# KiCad board data-center-ddr5-tester.kicad_pcb (continued)
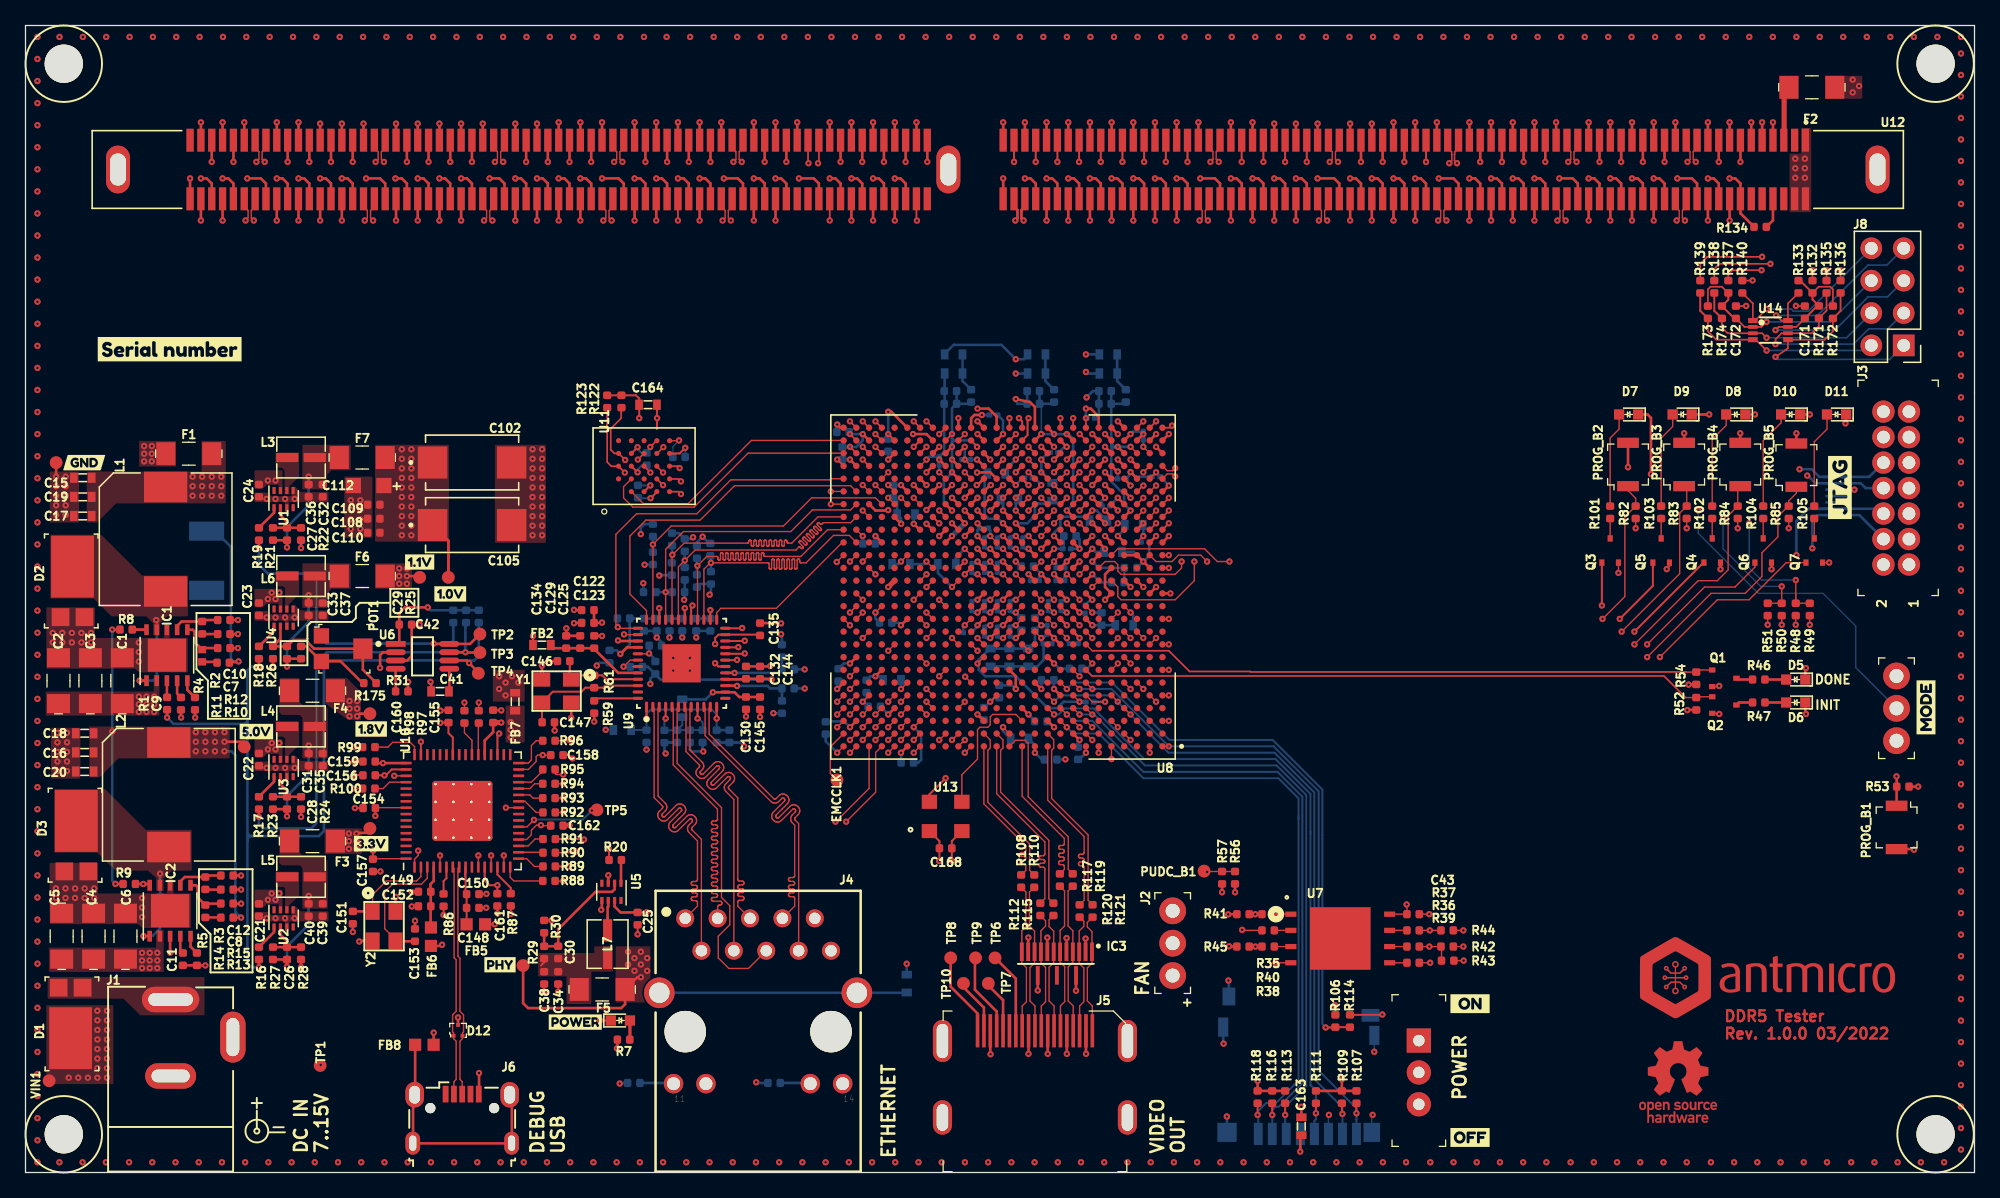
[diagram p0: board, top side]
## Routing (per net, layer and track width the routed paths; a pad name or vN(x,y) marks a point on that pad's centre or on a via; arc(x,y) is an arc through that point) (continued)
DQ22_B: length 73.2
  Top w0.2: U12.274 v3(24.8,74.7) ; U8.AC19 v3(70.64,54.94)
  In5.Cu w0.127: v3(24.8,74.7) 24.8,74.1 24.8,74.07 24.79,74.04 24.77,74.02 24.75,74 24.73,73.99 24.7,73.98 24.67,73.97 24.54,73.97 24.51,73.97 24.48,73.96 24.46,73.95 24.44,73.93 24.42,73.9 24.41,73.87 24.41,73.85 24.41,73.82 24.42,73.79 24.44,73.77 24.46,73.75 24.48,73.73 24.51,73.72 24.54,73.72 25.06,73.72 25.09,73.72 25.12,73.71 25.14,73.69 25.16,73.67 25.18,73.65 25.19,73.62 25.19,73.59 25.19,73.56 25.18,73.54 25.16,73.51 25.14,73.49 25.12,73.48 25.09,73.47 25.06,73.47 24.54,73.47 24.51,73.46 24.48,73.45 24.46,73.44 24.44,73.42 24.42,73.39 24.41,73.37 24.41,73.34 24.41,73.31 24.42,73.28 24.44,73.26 24.46,73.24 24.48,73.22 24.51,73.21 24.54,73.21 25.06,73.21 25.09,73.21 25.12,73.2 25.14,73.18 25.16,73.16 25.18,73.14 25.19,73.11 25.19,73.08 25.19,73.06 25.18,73.03 25.16,73 25.14,72.98 25.12,72.97 25.09,72.96 25.06,72.96 24.54,72.96 24.51,72.95 24.48,72.94 24.46,72.93 24.44,72.91 24.42,72.89 24.41,72.86 24.41,72.83 24.41,72.8 24.42,72.77 24.44,72.75 24.46,72.73 24.48,72.72 24.51,72.71 24.54,72.7 25.06,72.7 25.09,72.7 25.12,72.69 25.14,72.68 25.16,72.66 25.18,72.63 25.19,72.6 25.19,72.58 25.19,72.55 25.18,72.52 25.16,72.5 25.14,72.48 25.12,72.46 25.09,72.45 25.06,72.45 24.54,72.45 24.51,72.45 24.48,72.44 24.46,72.42 24.44,72.4 24.42,72.38 24.41,72.35 24.41,72.32 24.41,72.29 24.42,72.27 24.44,72.24 24.46,72.22 24.48,72.21 24.51,72.2 24.54,72.19 25.06,72.19 25.09,72.19 25.12,72.18 25.14,72.17 25.16,72.15 25.18,72.12 25.19,72.1 25.19,72.07 25.19,72.04 25.18,72.01 25.16,71.99 25.14,71.97 25.12,71.95 25.09,71.94 25.06,71.94 24.54,71.94 24.51,71.94 24.48,71.93 24.46,71.91 24.44,71.89 24.42,71.87 24.41,71.84 24.41,71.81 24.41,71.79 24.42,71.76 24.44,71.73 24.46,71.71 24.48,71.7 24.51,71.69 24.54,71.69 25.06,71.69 25.09,71.68 25.12,71.67 25.14,71.66 25.16,71.64 25.18,71.62 25.19,71.59 25.19,71.56 25.19,71.53 25.18,71.5 25.16,71.48 25.14,71.46 25.12,71.45 25.09,71.44 25.06,71.43 24.54,71.43 24.51,71.43 24.48,71.42 24.46,71.41 24.44,71.39 24.42,71.36 24.41,71.33 24.41,71.31 24.41,71.28 24.42,71.25 24.44,71.23 24.46,71.21 24.48,71.19 24.51,71.18 24.54,71.18 24.67,71.18 24.7,71.18 24.73,71.17 24.75,71.15 24.77,71.13 24.79,71.11 24.8,71.08 24.8,71.05 24.8,62.53 25.39,61.94 67.14,61.94 68.84,60.24 68.84,56.12 70.01,54.94 v3(70.64,54.94)
DQ23_A: length 66.6
  Top w0.2: U12.183 v1(107.25,74.7) ; v1(84.64,55.94) U8.AC6
  In7.Cu w0.127: v1(84.64,55.94) 86.14,57.44 106.49,57.44 107.25,58.2 107.25,61.45 107.25,61.48 107.26,61.51 107.28,61.53 107.3,61.55 107.32,61.57 107.35,61.58 107.38,61.58 107.51,61.58 107.54,61.58 107.57,61.59 107.59,61.61 107.61,61.63 107.63,61.65 107.64,61.68 107.64,61.71 107.64,61.73 107.63,61.76 107.61,61.79 107.59,61.81 107.57,61.82 107.54,61.83 107.51,61.83 106.99,61.83 106.96,61.84 106.93,61.85 106.91,61.86 106.89,61.88 106.87,61.9 106.86,61.93 106.86,61.96 106.86,61.99 106.87,62.02 106.89,62.04 106.91,62.06 106.93,62.07 106.96,62.08 106.99,62.09 107.51,62.09 107.54,62.09 107.57,62.1 107.59,62.11 107.61,62.13 107.63,62.16 107.64,62.19 107.64,62.21 107.64,62.24 107.63,62.27 107.61,62.29 107.59,62.31 107.57,62.33 107.54,62.34 107.51,62.34 106.99,62.34 106.96,62.34 106.93,62.35 106.91,62.37 106.89,62.39 106.87,62.41 106.86,62.44 106.86,62.47 106.86,62.5 106.87,62.52 106.89,62.55 106.91,62.57 106.93,62.58 106.96,62.59 106.99,62.59 107.51,62.59 107.54,62.6 107.57,62.61 107.59,62.62 107.61,62.64 107.63,62.67 107.64,62.69 107.64,62.72 107.64,62.75 107.63,62.78 107.61,62.8 107.59,62.82 107.57,62.84 107.54,62.85 107.51,62.85 106.99,62.85 106.96,62.85 106.93,62.86 106.91,62.88 106.89,62.9 106.87,62.92 106.86,62.95 106.86,62.98 106.86,63 106.87,63.03 106.89,63.06 106.91,63.08 106.93,63.09 106.96,63.1 106.99,63.1 107.51,63.1 107.54,63.11 107.57,63.12 107.59,63.13 107.61,63.15 107.63,63.17 107.64,63.2 107.64,63.23 107.64,63.26 107.63,63.29 107.61,63.31 107.59,63.33 107.57,63.34 107.54,63.35 107.51,63.36 106.99,63.36 106.96,63.36 106.93,63.37 106.91,63.38 106.89,63.4 106.87,63.43 106.86,63.46 106.86,63.48 106.86,63.51 106.87,63.54 106.89,63.56 106.91,63.58 106.93,63.6 106.96,63.61 106.99,63.61 107.51,63.61 107.54,63.61 107.57,63.62 107.59,63.64 107.61,63.66 107.63,63.68 107.64,63.71 107.64,63.74 107.64,63.77 107.63,63.79 107.61,63.82 107.59,63.84 107.57,63.85 107.54,63.86 107.51,63.86 106.99,63.86 106.96,63.87 106.93,63.88 106.91,63.89 106.89,63.91 106.87,63.94 106.86,63.96 106.86,63.99 106.86,64.02 106.87,64.05 106.89,64.07 106.91,64.09 106.93,64.11 106.96,64.12 106.99,64.12 107.51,64.12 107.54,64.12 107.57,64.13 107.59,64.15 107.61,64.17 107.63,64.19 107.64,64.22 107.64,64.25 107.64,64.27 107.63,64.3 107.61,64.33 107.59,64.35 107.57,64.36 107.54,64.37 107.51,64.37 106.99,64.37 106.96,64.38 106.93,64.39 106.91,64.4 106.89,64.42 106.87,64.44 106.86,64.47 106.86,64.5 106.86,64.53 106.87,64.56 106.89,64.58 106.91,64.6 106.93,64.61 106.96,64.62 106.99,64.63 107.51,64.63 107.54,64.63 107.57,64.64 107.59,64.65 107.61,64.67 107.63,64.7 107.64,64.73 107.64,64.75 107.64,64.78 107.63,64.81 107.61,64.83 107.59,64.85 107.57,64.87 107.54,64.88 107.51,64.88 106.99,64.88 106.96,64.88 106.93,64.89 106.91,64.91 106.89,64.93 106.87,64.95 106.86,64.98 106.86,65.01 106.86,65.04 106.87,65.06 106.89,65.09 106.91,65.11 106.93,65.12 106.96,65.13 106.99,65.14 107.51,65.14 107.54,65.14 107.57,65.15 107.59,65.16 107.61,65.18 107.63,65.21 107.64,65.23 107.64,65.26 107.64,65.29 107.63,65.32 107.61,65.34 107.59,65.36 107.57,65.38 107.54,65.39 107.51,65.39 106.99,65.39 106.96,65.39 106.93,65.4 106.91,65.42 106.89,65.44 106.87,65.46 106.86,65.49 106.86,65.52 106.86,65.54 106.87,65.57 106.89,65.6 106.91,65.62 106.93,65.63 106.96,65.64 106.99,65.64 107.51,65.64 107.54,65.65 107.57,65.66 107.59,65.67 107.61,65.69 107.63,65.71 107.64,65.74 107.64,65.77 107.64,65.8 107.63,65.83 107.61,65.85 107.59,65.87 107.57,65.88 107.54,65.89 107.51,65.9 106.99,65.9 106.96,65.9 106.93,65.91 106.91,65.92 106.89,65.94 106.87,65.97 106.86,66 106.86,66.02 106.86,66.05 106.87,66.08 106.89,66.1 106.91,66.12 106.93,66.14 106.96,66.15 106.99,66.15 107.51,66.15 107.54,66.15 107.57,66.16 107.59,66.18 107.61,66.2 107.63,66.22 107.64,66.25 107.64,66.28 107.64,66.31 107.63,66.33 107.61,66.36 107.59,66.38 107.57,66.39 107.54,66.4 107.51,66.41 106.99,66.41 106.96,66.41 106.93,66.42 106.91,66.43 106.89,66.45 106.87,66.48 106.86,66.5 106.86,66.53 106.86,66.56 106.87,66.59 106.89,66.61 106.91,66.63 106.93,66.65 106.96,66.66 106.99,66.66 107.51,66.66 107.54,66.66 107.57,66.67 107.59,66.69 107.61,66.71 107.63,66.73 107.64,66.76 107.64,66.79 107.64,66.81 107.63,66.84 107.61,66.87 107.59,66.89 107.57,66.9 107.54,66.91 107.51,66.91 106.99,66.91 106.96,66.92 106.93,66.93 106.91,66.94 106.89,66.96 106.87,66.98 106.86,67.01 106.86,67.04 106.86,67.07 106.87,67.1 106.89,67.12 106.91,67.14 106.93,67.15 106.96,67.16 106.99,67.17 107.51,67.17 107.54,67.17 107.57,67.18 107.59,67.19 107.61,67.21 107.63,67.24 107.64,67.27 107.64,67.29 107.64,67.32 107.63,67.35 107.61,67.37 107.59,67.39 107.57,67.41 107.54,67.42 107.51,67.42 106.99,67.42 106.96,67.42 106.93,67.43 106.91,67.45 106.89,67.47 106.87,67.49 106.86,67.52 106.86,67.55 106.86,67.58 106.87,67.6 106.89,67.63 106.91,67.65 106.93,67.66 106.96,67.67 106.99,67.67 107.51,67.67 107.54,67.68 107.57,67.69 107.59,67.7 107.61,67.72 107.63,67.75 107.64,67.77 107.64,67.8 107.64,67.83 107.63,67.86 107.61,67.88 107.59,67.9 107.57,67.92 107.54,67.93 107.51,67.93 106.99,67.93 106.96,67.93 106.93,67.94 106.91,67.96 106.89,67.98 106.87,68 106.86,68.03 106.86,68.06 106.86,68.08 106.87,68.11 106.89,68.14 106.91,68.16 106.93,68.17 106.96,68.18 106.99,68.18 107.51,68.18 107.54,68.19 107.57,68.2 107.59,68.21 107.61,68.23 107.63,68.25 107.64,68.28 107.64,68.31 107.64,68.34 107.63,68.37 107.61,68.39 107.59,68.41 107.57,68.42 107.54,68.43 107.51,68.44 106.99,68.44 106.96,68.44 106.93,68.45 106.91,68.46 106.89,68.48 106.87,68.51 106.86,68.54 106.86,68.56 106.86,68.59 106.87,68.62 106.89,68.64 106.91,68.66 106.93,68.68 106.96,68.69 106.99,68.69 107.51,68.69 107.54,68.69 107.57,68.7 107.59,68.72 107.61,68.74 107.63,68.76 107.64,68.79 107.64,68.82 107.64,68.85 107.63,68.87 107.61,68.9 107.59,68.92 107.57,68.93 107.54,68.94 107.51,68.94 106.99,68.94 106.96,68.95 106.93,68.96 106.91,68.97 106.89,68.99 106.87,69.02 106.86,69.04 106.86,69.07 106.86,69.1 106.87,69.13 106.89,69.15 106.91,69.17 106.93,69.19 106.96,69.2 106.99,69.2 107.51,69.2 107.54,69.2 107.57,69.21 107.59,69.23 107.61,69.25 107.63,69.27 107.64,69.3 107.64,69.33 107.64,69.35 107.63,69.38 107.61,69.41 107.59,69.43 107.57,69.44 107.54,69.45 107.51,69.45 106.99,69.45 106.96,69.46 106.93,69.47 106.91,69.48 106.89,69.5 106.87,69.52 106.86,69.55 106.86,69.58 106.86,69.61 106.87,69.64 106.89,69.66 106.91,69.68 106.93,69.69 106.96,69.7 106.99,69.71 107.51,69.71 107.54,69.71 107.57,69.72 107.59,69.73 107.61,69.75 107.63,69.78 107.64,69.81 107.64,69.83 107.64,69.86 107.63,69.89 107.61,69.91 107.59,69.93 107.57,69.95 107.54,69.96 107.51,69.96 106.99,69.96 106.96,69.96 106.93,69.97 106.91,69.99 106.89,70.01 106.87,70.03 106.86,70.06 106.86,70.09 106.86,70.12 106.87,70.14 106.89,70.17 106.91,70.19 106.93,70.2 106.96,70.21 106.99,70.22 107.51,70.22 107.54,70.22 107.57,70.23 107.59,70.24 107.61,70.26 107.63,70.29 107.64,70.31 107.64,70.34 107.64,70.37 107.63,70.4 107.61,70.42 107.59,70.44 107.57,70.46 107.54,70.47 107.51,70.47 106.99,70.47 106.96,70.47 106.93,70.48 106.91,70.5 106.89,70.52 106.87,70.54 106.86,70.57 106.86,70.6 106.86,70.62 106.87,70.65 106.89,70.68 106.91,70.7 106.93,70.71 106.96,70.72 106.99,70.72 107.12,70.72 107.15,70.73 107.18,70.74 107.2,70.75 107.22,70.77 107.24,70.79 107.25,70.82 107.25,70.85 v1(107.25,74.7)
DQ23_B: length 73.2
  Top w0.2: U12.276 v3(23.1,74.7) ; U8.AA20 v3(69.64,53.94)
  In5.Cu w0.127: v3(69.64,53.94) 68.14,55.44 68.14,59.94 67.14,60.94 23.64,60.94 23.1,61.48 23.1,72.11 23.1,72.14 23.11,72.17 23.13,72.19 23.15,72.21 23.17,72.23 23.2,72.24 23.23,72.24 23.37,72.24 23.39,72.24 23.42,72.25 23.44,72.27 23.47,72.29 23.48,72.31 23.49,72.34 23.49,72.37 23.49,72.4 23.48,72.42 23.47,72.45 23.44,72.47 23.42,72.48 23.39,72.49 23.37,72.5 22.83,72.5 22.81,72.5 22.78,72.51 22.76,72.52 22.73,72.54 22.72,72.57 22.71,72.59 22.71,72.62 22.71,72.65 22.72,72.68 22.73,72.7 22.76,72.72 22.78,72.74 22.81,72.75 22.83,72.75 23.37,72.75 23.39,72.75 23.42,72.76 23.44,72.78 23.47,72.8 23.48,72.82 23.49,72.85 23.49,72.88 23.49,72.9 23.48,72.93 23.47,72.96 23.44,72.98 23.42,72.99 23.39,73 23.37,73 22.83,73 22.81,73.01 22.78,73.02 22.76,73.03 22.73,73.05 22.72,73.07 22.71,73.1 22.71,73.13 22.71,73.16 22.72,73.19 22.73,73.21 22.76,73.23 22.78,73.24 22.81,73.25 22.83,73.26 23.37,73.26 23.39,73.26 23.42,73.27 23.44,73.28 23.47,73.3 23.48,73.33 23.49,73.36 23.49,73.38 23.49,73.41 23.48,73.44 23.47,73.46 23.44,73.48 23.42,73.5 23.39,73.51 23.37,73.51 22.83,73.51 22.81,73.51 22.78,73.52 22.76,73.54 22.73,73.56 22.72,73.58 22.71,73.61 22.71,73.64 22.71,73.67 22.72,73.69 22.73,73.72 22.76,73.74 22.78,73.75 22.81,73.76 22.83,73.77 23.37,73.77 23.39,73.77 23.42,73.78 23.44,73.79 23.47,73.81 23.48,73.84 23.49,73.86 23.49,73.89 23.49,73.92 23.48,73.95 23.47,73.97 23.44,73.99 23.42,74.01 23.39,74.02 23.37,74.02 22.83,74.02 22.81,74.02 22.78,74.03 22.76,74.05 22.73,74.07 22.72,74.09 22.71,74.12 22.71,74.15 22.71,74.17 22.72,74.2 22.73,74.23 22.76,74.25 22.78,74.26 22.81,74.27 22.83,74.27 22.97,74.27 23,74.28 23.03,74.29 23.05,74.3 23.07,74.32 23.09,74.34 23.1,74.37 23.1,74.4 v3(23.1,74.7)
DQ24_A: length 53.5
  Top w0.2: U12.40 v4(106.4,79.3) ; U8.AE3 v4(87.64,57.94)
  In2.Cu w0.127: v4(106.4,79.3) 106.4,78.6 106.4,78.57 106.39,78.54 106.37,78.52 106.35,78.5 106.33,78.49 106.3,78.48 106.27,78.47 106.14,78.47 106.11,78.47 106.09,78.46 106.06,78.45 106.04,78.43 106.03,78.4 106.02,78.37 106.01,78.35 106.02,78.32 106.03,78.29 106.04,78.27 106.06,78.25 106.09,78.23 106.11,78.22 106.14,78.22 106.66,78.22 106.69,78.22 106.71,78.21 106.74,78.19 106.76,78.17 106.77,78.15 106.78,78.12 106.79,78.09 106.78,78.06 106.77,78.04 106.76,78.01 106.74,77.99 106.71,77.98 106.69,77.97 106.66,77.97 106.14,77.97 106.11,77.96 106.09,77.95 106.06,77.94 106.04,77.92 106.03,77.89 106.02,77.87 106.01,77.84 106.02,77.81 106.03,77.78 106.04,77.76 106.06,77.74 106.09,77.72 106.11,77.71 106.14,77.71 106.66,77.71 106.69,77.71 106.71,77.7 106.74,77.68 106.76,77.66 106.77,77.64 106.78,77.61 106.79,77.58 106.78,77.56 106.77,77.53 106.76,77.5 106.74,77.48 106.71,77.47 106.69,77.46 106.66,77.46 106.14,77.46 106.11,77.45 106.09,77.44 106.06,77.43 106.04,77.41 106.03,77.39 106.02,77.36 106.01,77.33 106.02,77.3 106.03,77.27 106.04,77.25 106.06,77.23 106.09,77.22 106.11,77.21 106.14,77.2 106.66,77.2 106.69,77.2 106.71,77.19 106.74,77.18 106.76,77.16 106.77,77.13 106.78,77.1 106.79,77.08 106.78,77.05 106.77,77.02 106.76,77 106.74,76.98 106.71,76.96 106.69,76.95 106.66,76.95 106.14,76.95 106.11,76.95 106.09,76.94 106.06,76.92 106.04,76.9 106.03,76.88 106.02,76.85 106.01,76.82 106.02,76.79 106.03,76.77 106.04,76.74 106.06,76.72 106.09,76.71 106.11,76.7 106.14,76.69 106.66,76.69 106.69,76.69 106.71,76.68 106.74,76.67 106.76,76.65 106.77,76.62 106.78,76.6 106.79,76.57 106.78,76.54 106.77,76.51 106.76,76.49 106.74,76.47 106.71,76.45 106.69,76.44 106.66,76.44 106.14,76.44 106.11,76.44 106.09,76.43 106.06,76.41 106.04,76.39 106.03,76.37 106.02,76.34 106.01,76.31 106.02,76.29 106.03,76.26 106.04,76.23 106.06,76.21 106.09,76.2 106.11,76.19 106.14,76.19 106.66,76.19 106.69,76.18 106.71,76.17 106.74,76.16 106.76,76.14 106.77,76.12 106.78,76.09 106.79,76.06 106.78,76.03 106.77,76 106.76,75.98 106.74,75.96 106.71,75.95 106.69,75.94 106.66,75.93 106.14,75.93 106.11,75.93 106.09,75.92 106.06,75.91 106.04,75.89 106.03,75.86 106.02,75.83 106.01,75.81 106.02,75.78 106.03,75.75 106.04,75.73 106.06,75.71 106.09,75.69 106.11,75.68 106.14,75.68 106.66,75.68 106.69,75.68 106.71,75.67 106.74,75.65 106.76,75.63 106.77,75.61 106.78,75.58 106.79,75.55 106.78,75.52 106.77,75.5 106.76,75.47 106.74,75.45 106.71,75.44 106.69,75.43 106.66,75.42 106.14,75.42 106.11,75.42 106.09,75.41 106.06,75.4 106.04,75.38 106.03,75.35 106.02,75.33 106.01,75.3 106.02,75.27 106.03,75.24 106.04,75.22 106.06,75.2 106.09,75.18 106.11,75.17 106.14,75.17 106.66,75.17 106.69,75.17 106.71,75.16 106.74,75.14 106.76,75.12 106.77,75.1 106.78,75.07 106.79,75.04 106.78,75.02 106.77,74.99 106.76,74.96 106.74,74.94 106.71,74.93 106.69,74.92 106.66,74.92 106.14,74.92 106.11,74.91 106.09,74.9 106.06,74.89 106.04,74.87 106.03,74.85 106.02,74.82 106.01,74.79 106.02,74.76 106.03,74.73 106.04,74.71 106.06,74.69 106.09,74.68 106.11,74.67 106.14,74.66 106.66,74.66 106.69,74.66 106.71,74.65 106.74,74.64 106.76,74.62 106.77,74.59 106.78,74.56 106.79,74.54 106.78,74.51 106.77,74.48 106.76,74.46 106.74,74.44 106.71,74.42 106.69,74.41 106.66,74.41 106.53,74.41 106.5,74.41 106.47,74.4 106.45,74.38 106.43,74.36 106.41,74.34 106.4,74.31 106.4,74.28 106.4,59.95 102.89,56.44 88.39,56.44 88.14,56.69 88.14,57.44 v4(87.64,57.94)
DQ24_B: length 77.3
  Top w0.2: U12.133 v1(22.25,79.3) ; U8.AB20 v1(70.64,53.94)
  In7.Cu w0.127: v1(22.25,79.3) 22.25,79 22.25,78.97 22.24,78.94 22.22,78.92 22.2,78.9 22.18,78.89 22.15,78.88 22.12,78.87 21.98,78.87 21.95,78.87 21.92,78.86 21.9,78.85 21.88,78.83 21.86,78.8 21.85,78.77 21.85,78.75 21.85,78.72 21.86,78.69 21.88,78.67 21.9,78.65 21.92,78.63 21.95,78.62 21.98,78.62 22.52,78.62 22.55,78.62 22.58,78.61 22.6,78.59 22.62,78.57 22.64,78.55 22.65,78.52 22.65,78.49 22.65,78.46 22.64,78.44 22.62,78.41 22.6,78.39 22.58,78.38 22.55,78.37 22.52,78.37 21.98,78.37 21.95,78.36 21.92,78.35 21.9,78.34 21.88,78.32 21.86,78.29 21.85,78.27 21.85,78.24 21.85,78.21 21.86,78.18 21.88,78.16 21.9,78.14 21.92,78.12 21.95,78.11 21.98,78.11 22.52,78.11 22.55,78.11 22.58,78.1 22.6,78.08 22.62,78.06 22.64,78.04 22.65,78.01 22.65,77.98 22.65,77.96 22.64,77.93 22.62,77.9 22.6,77.88 22.58,77.87 22.55,77.86 22.52,77.86 21.98,77.86 21.95,77.85 21.92,77.84 21.9,77.83 21.88,77.81 21.86,77.79 21.85,77.76 21.85,77.73 21.85,77.7 21.86,77.67 21.88,77.65 21.9,77.63 21.92,77.62 21.95,77.61 21.98,77.6 22.52,77.6 22.55,77.6 22.58,77.59 22.6,77.58 22.62,77.56 22.64,77.53 22.65,77.5 22.65,77.48 22.65,77.45 22.64,77.42 22.62,77.4 22.6,77.38 22.58,77.36 22.55,77.35 22.52,77.35 21.98,77.35 21.95,77.35 21.92,77.34 21.9,77.32 21.88,77.3 21.86,77.28 21.85,77.25 21.85,77.22 21.85,77.19 21.86,77.17 21.88,77.14 21.9,77.12 21.92,77.11 21.95,77.1 21.98,77.09 22.52,77.09 22.55,77.09 22.58,77.08 22.6,77.07 22.62,77.05 22.64,77.02 22.65,77 22.65,76.97 22.65,76.94 22.64,76.91 22.62,76.89 22.6,76.87 22.58,76.85 22.55,76.84 22.52,76.84 21.98,76.84 21.95,76.84 21.92,76.83 21.9,76.81 21.88,76.79 21.86,76.77 21.85,76.74 21.85,76.71 21.85,76.69 21.86,76.66 21.88,76.63 21.9,76.61 21.92,76.6 21.95,76.59 21.98,76.59 22.52,76.59 22.55,76.58 22.58,76.57 22.6,76.56 22.62,76.54 22.64,76.52 22.65,76.49 22.65,76.46 22.65,76.43 22.64,76.4 22.62,76.38 22.6,76.36 22.58,76.35 22.55,76.34 22.52,76.33 21.98,76.33 21.95,76.33 21.92,76.32 21.9,76.31 21.88,76.29 21.86,76.26 21.85,76.23 21.85,76.21 21.85,76.18 21.86,76.15 21.88,76.13 21.9,76.11 21.92,76.09 21.95,76.08 21.98,76.08 22.52,76.08 22.55,76.08 22.58,76.07 22.6,76.05 22.62,76.03 22.64,76.01 22.65,75.98 22.65,75.95 22.65,75.92 22.64,75.9 22.62,75.87 22.6,75.85 22.58,75.84 22.55,75.83 22.52,75.83 21.98,75.83 21.95,75.82 21.92,75.81 21.9,75.8 21.88,75.78 21.86,75.75 21.85,75.73 21.85,75.7 21.85,75.67 21.86,75.64 21.88,75.62 21.9,75.6 21.92,75.58 21.95,75.57 21.98,75.57 22.52,75.57 22.55,75.57 22.58,75.56 22.6,75.54 22.62,75.52 22.64,75.5 22.65,75.47 22.65,75.44 22.65,75.42 22.64,75.39 22.62,75.36 22.6,75.34 22.58,75.33 22.55,75.32 22.52,75.32 21.98,75.32 21.95,75.31 21.92,75.3 21.9,75.29 21.88,75.27 21.86,75.25 21.85,75.22 21.85,75.19 21.85,75.16 21.86,75.13 21.88,75.11 21.9,75.09 21.92,75.08 21.95,75.07 21.98,75.06 22.12,75.06 22.15,75.06 22.18,75.05 22.2,75.04 22.22,75.02 22.24,74.99 22.25,74.96 22.25,74.94 22.25,74.25 22.5,74 22.52,73.98 22.53,73.95 22.54,73.92 22.54,73.9 22.53,73.87 22.52,73.84 22.5,73.82 22.47,73.79 22.45,73.77 22.44,73.74 22.43,73.71 22.43,73.68 22.44,73.66 22.45,73.63 22.47,73.61 22.49,73.59 22.51,73.58 22.54,73.57 22.57,73.57 22.6,73.58 22.62,73.59 22.65,73.61 22.89,73.85 22.91,73.87 22.94,73.88 22.97,73.89 23,73.89 23.02,73.88 23.05,73.87 23.07,73.85 23.09,73.83 23.1,73.81 23.11,73.78 23.11,73.75 23.1,73.72 23.09,73.7 23.07,73.67 22.83,73.43 22.81,73.41 22.8,73.38 22.79,73.35 22.79,73.32 22.8,73.3 22.81,73.27 22.83,73.25 22.85,73.23 22.87,73.22 22.9,73.21 22.93,73.21 22.96,73.22 22.98,73.23 23.01,73.25 23.25,73.49 23.27,73.51 23.3,73.52 23.33,73.53 23.36,73.53 23.38,73.52 23.41,73.51 23.43,73.49 23.45,73.47 23.46,73.45 23.47,73.42 23.47,73.39 23.46,73.36 23.45,73.34 23.43,73.31 23.19,73.07 23.17,73.05 23.16,73.02 23.15,72.99 23.15,72.97 23.16,72.94 23.17,72.91 23.19,72.89 23.21,72.87 23.23,72.86 23.26,72.85 23.29,72.85 23.32,72.86 23.34,72.87 23.37,72.89 23.4,72.92 23.42,72.94 23.45,72.95 23.47,72.96 23.5,72.96 23.53,72.95 23.56,72.94 23.58,72.92 31.31,65.19 52.89,65.19 64.14,53.94 67.89,53.94 68.39,54.44 68.89,54.44 69.39,53.94 v1(70.64,53.94)
